# Altium PCB PCB.PcbDoc (part 8 of 11)
Units mm, origin at the board's own origin, x right, y up, seen from the top; angles counter-clockwise.
Board outline 134.62 x 134.62 mm, 2 copper layers (Top Layer, Bottom Layer); 223 components, 326 nets, 5222 pads, 379 vias.
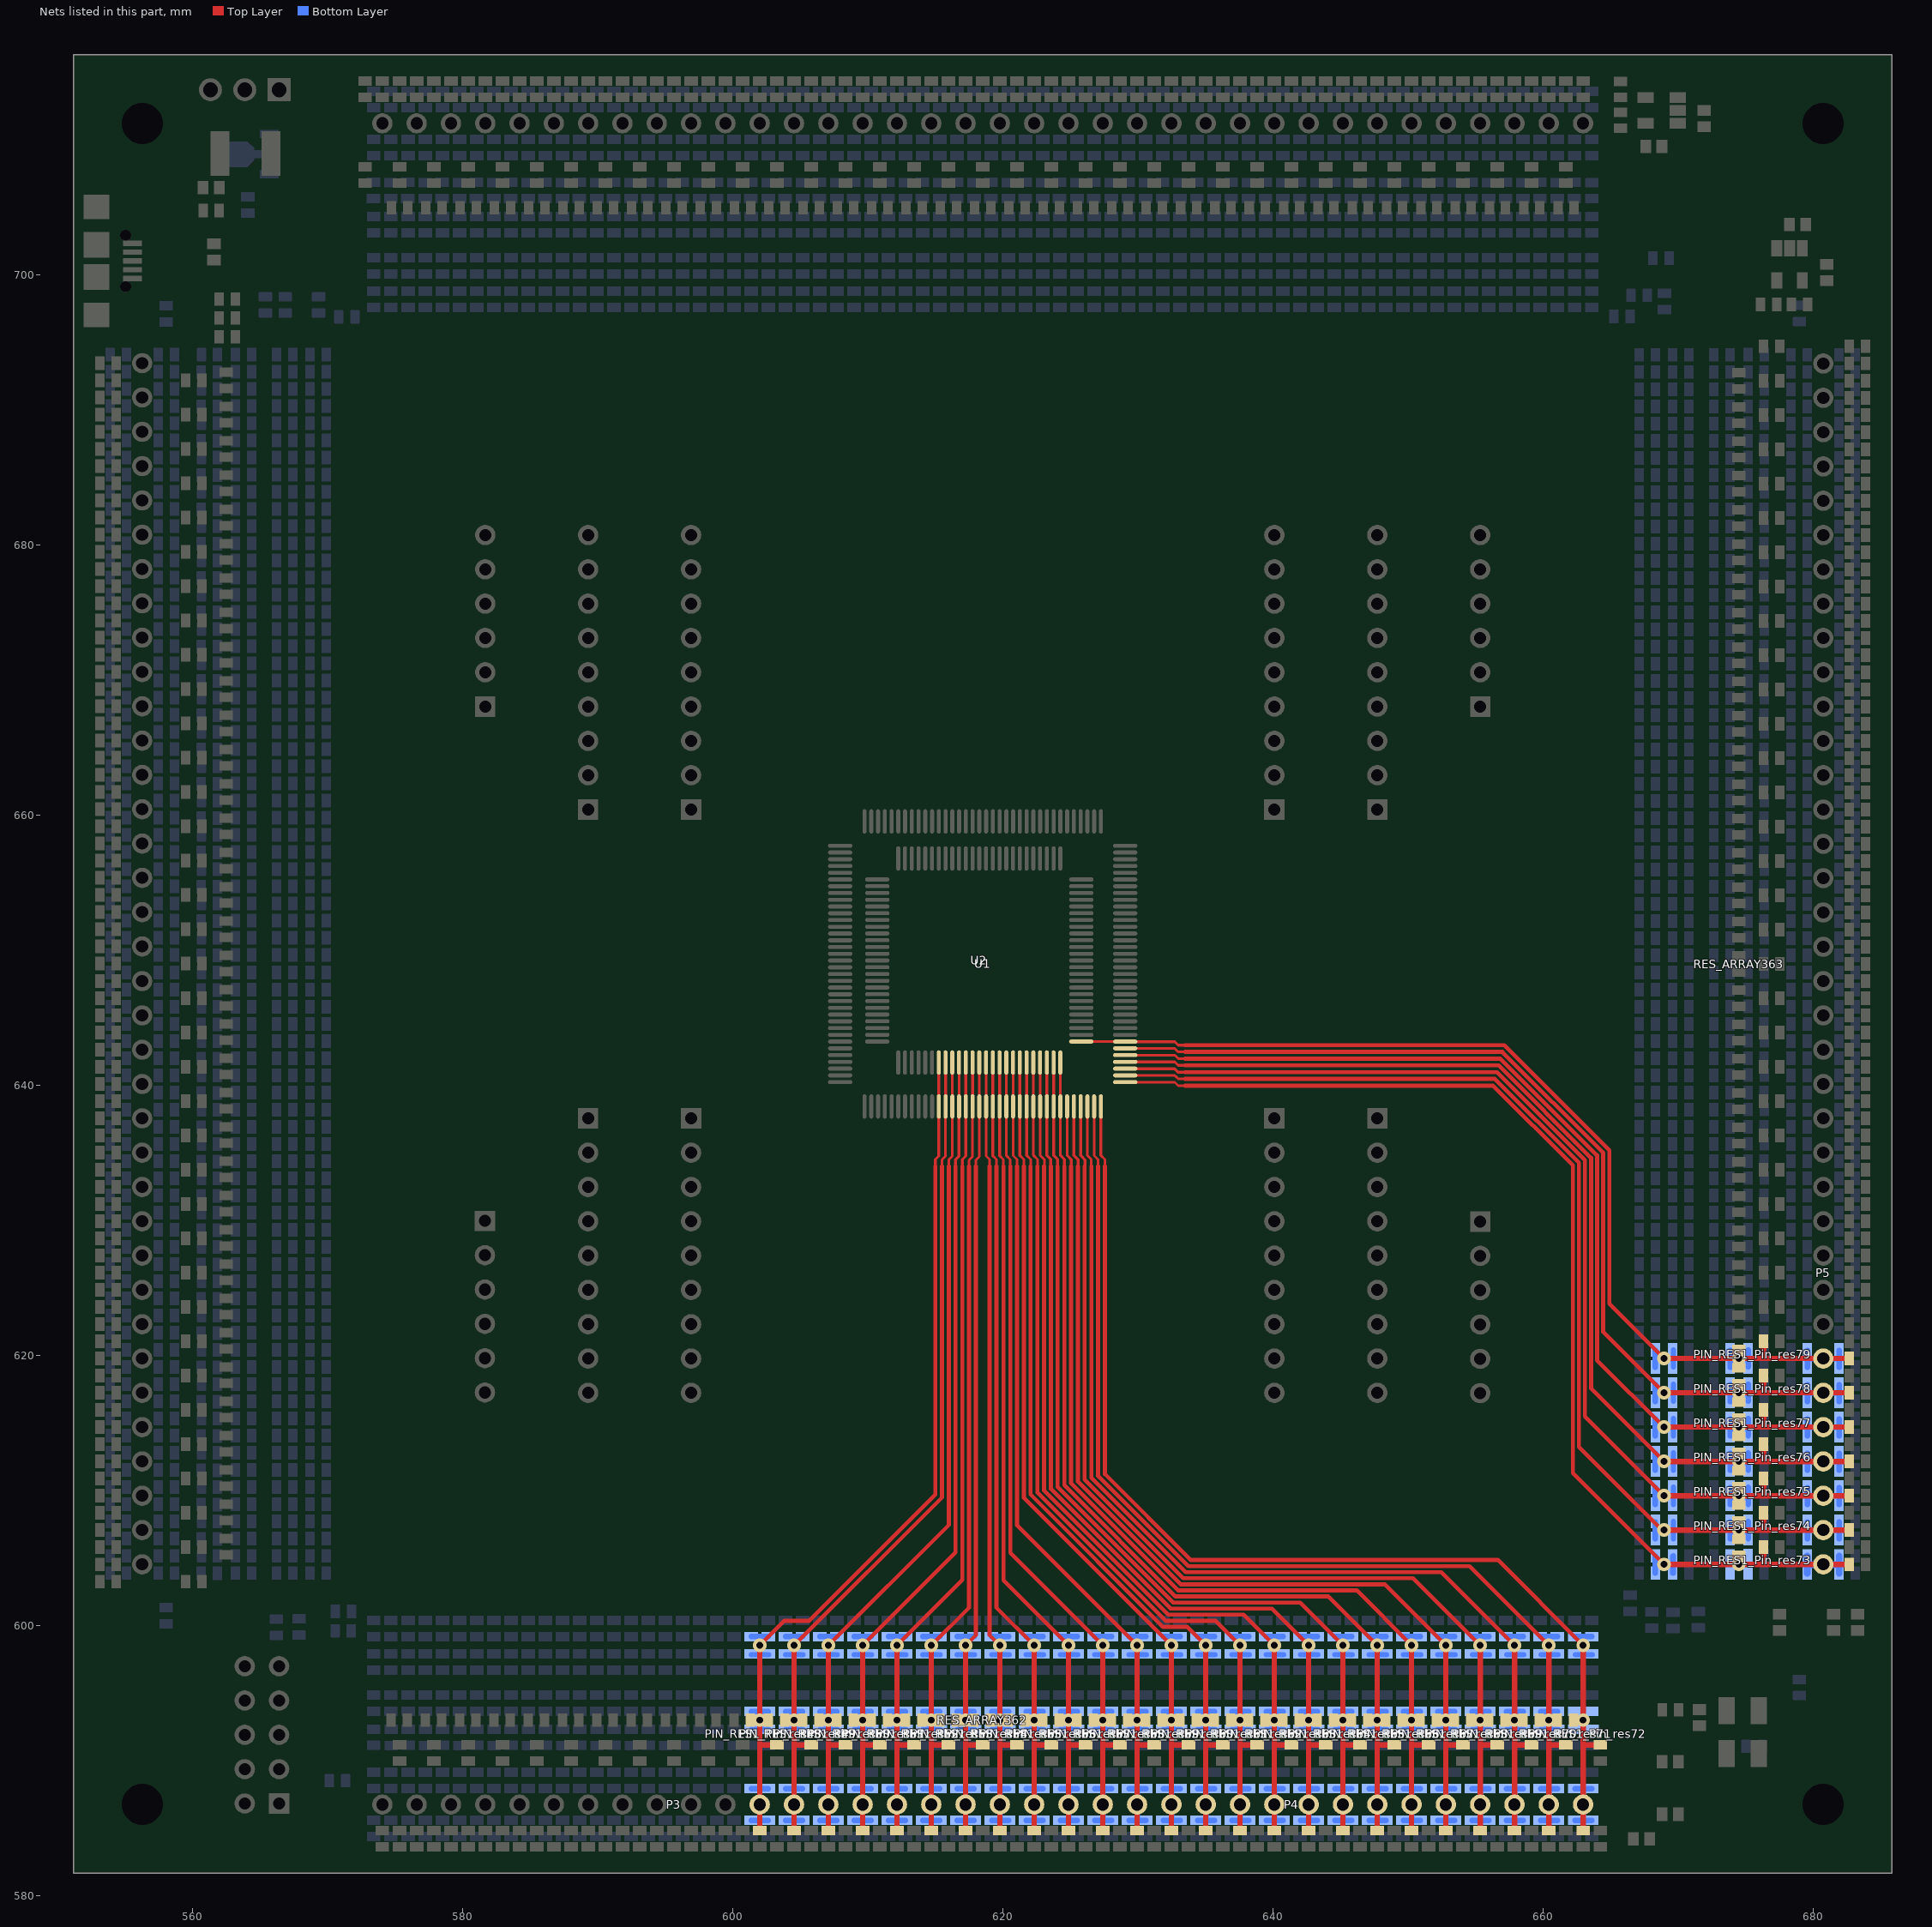
[diagram p8: the nets of this part, all layers, seen from the top]

## Via types
v1: diameter 1, hole 0.5, Top Layer to Bottom Layer, 322 vias
v2: diameter 1, hole 0.5, Top Layer to Bottom Layer, tented both sides, 57 vias

## Nets (pads, with @x,y where several pads share a name; then routed paths per layer and width w, separated by ;. In a path a pad name is that pad's centre, name@x,y a point inside that pad or via, vN(x,y) a via of type N, cw(c..) or ccw(c..) an arc to the next point about the centre after c; other vN are vias at no path point) (continued)
P48: P3.12 PIN_RES1_Pin_res48.14 RES_ARRAY362.12 U1.48 U2.32 | length 77.4
  Top Layer w0.2: 614.982,633.984 614.982,634.492 615.24,634.75 U1.48@615.24,638.42 615.24,641.67 U2.32@615.236,641.674
  Top Layer w0.3: v1(601.98,598.526) 603.786,600.332 605.631,600.332 614.982,609.683 614.982,633.984
  Top Layer w0.4: PIN_RES1_Pin_res48.14@601.98,584.8 P3.12@601.98,586.74 601.98,591.185 ; v1(601.98,598.526) v1(601.98,592.988) 601.98,591.185 ; PIN_RES1_Pin_res48.14@603.25,591.15 602.015,591.15 601.98,591.185
  Bottom Layer w0.4: PIN_RES1_Pin_res48.14@601.345,585.562 601.98,585.562 ; PIN_RES1_Pin_res48.14@601.345,587.918 601.98,587.918 ; PIN_RES1_Pin_res48.14@601.345,593.633 601.98,593.633 ; PIN_RES1_Pin_res48.14@601.345,599.17 601.98,599.17 ; PIN_RES1_Pin_res48.14@601.37,592.293 601.98,592.293 ; PIN_RES1_Pin_res48.14@601.37,597.83 601.98,597.83 ; PIN_RES1_Pin_res48.14@602.615,585.562 601.98,585.562 ; PIN_RES1_Pin_res48.14@602.615,587.918 601.98,587.918 ; PIN_RES1_Pin_res48.14@602.615,593.633 601.98,593.633 ; PIN_RES1_Pin_res48.14@602.615,599.17 601.98,599.17 ; PIN_RES1_Pin_res48.14@602.64,592.293 601.98,592.293 ; PIN_RES1_Pin_res48.14@602.64,597.83 601.98,597.83 ; 601.98,585.562 P3.12@601.98,586.74 601.98,587.918 ; 601.98,592.293 v1(601.98,592.988) 601.98,593.633 ; 601.98,597.83 v1(601.98,598.526) 601.98,599.17
P49: P3.13 PIN_RES1_Pin_res49.14 RES_ARRAY362.13 U1.49 U2.33 | length 75.5
  Top Layer w0.2: 615.474,633.984 615.474,634.473 615.728,634.727 615.728,638.408 U1.49@615.74,638.42 615.74,641.67 U2.33@615.736,641.674
  Top Layer w0.3: v1(604.52,598.526) 615.474,609.48 615.474,633.984
  Top Layer w0.4: PIN_RES1_Pin_res49.14@604.52,584.8 P3.13@604.52,586.74 604.52,591.185 ; v1(604.52,598.526) v1(604.52,592.988) 604.52,591.185 ; PIN_RES1_Pin_res49.14@605.79,591.15 604.555,591.15 604.52,591.185
  Bottom Layer w0.4: PIN_RES1_Pin_res49.14@603.885,585.562 604.52,585.562 ; PIN_RES1_Pin_res49.14@603.885,587.918 604.52,587.918 ; PIN_RES1_Pin_res49.14@603.885,593.633 604.52,593.633 ; PIN_RES1_Pin_res49.14@603.885,599.17 604.52,599.17 ; PIN_RES1_Pin_res49.14@603.91,592.293 604.52,592.293 ; PIN_RES1_Pin_res49.14@603.91,597.83 604.52,597.83 ; PIN_RES1_Pin_res49.14@605.155,585.562 604.52,585.562 ; PIN_RES1_Pin_res49.14@605.155,587.918 604.52,587.918 ; PIN_RES1_Pin_res49.14@605.155,593.633 604.52,593.633 ; PIN_RES1_Pin_res49.14@605.155,599.17 604.52,599.17 ; PIN_RES1_Pin_res49.14@605.18,592.293 604.52,592.293 ; PIN_RES1_Pin_res49.14@605.18,597.83 604.52,597.83 ; 604.52,585.562 P3.13@604.52,586.74 604.52,587.918 ; 604.52,592.293 v1(604.52,592.988) 604.52,593.633 ; 604.52,597.83 v1(604.52,598.526) 604.52,599.17
P50: P3.14 PIN_RES1_Pin_res50.14 RES_ARRAY362.14 U1.50 U2.34 | length 74.6
  Top Layer w0.2: 615.982,633.984 615.982,634.486 616.24,634.744 U1.50@616.24,638.42 616.24,641.67 U2.34@616.236,641.674
  Top Layer w0.3: v1(607.06,598.526) 615.982,607.448 615.982,633.984
  Top Layer w0.4: PIN_RES1_Pin_res50.14@607.06,584.8 P3.14@607.06,586.74 607.06,591.185 ; v1(607.06,598.526) v1(607.06,592.988) 607.06,591.185 ; PIN_RES1_Pin_res50.14@608.33,591.15 607.095,591.15 607.06,591.185
  Bottom Layer w0.4: PIN_RES1_Pin_res50.14@606.425,585.562 607.06,585.562 ; PIN_RES1_Pin_res50.14@606.425,587.918 607.06,587.918 ; PIN_RES1_Pin_res50.14@606.425,593.633 607.06,593.633 ; PIN_RES1_Pin_res50.14@606.425,599.17 607.06,599.17 ; PIN_RES1_Pin_res50.14@606.45,592.293 607.06,592.293 ; PIN_RES1_Pin_res50.14@606.45,597.83 607.06,597.83 ; PIN_RES1_Pin_res50.14@607.695,585.562 607.06,585.562 ; PIN_RES1_Pin_res50.14@607.695,587.918 607.06,587.918 ; PIN_RES1_Pin_res50.14@607.695,593.633 607.06,593.633 ; PIN_RES1_Pin_res50.14@607.695,599.17 607.06,599.17 ; PIN_RES1_Pin_res50.14@607.72,592.293 607.06,592.293 ; PIN_RES1_Pin_res50.14@607.72,597.83 607.06,597.83 ; 607.06,585.562 P3.14@607.06,586.74 607.06,587.918 ; 607.06,592.293 v1(607.06,592.988) 607.06,593.633 ; 607.06,597.83 v1(607.06,598.526) 607.06,599.17
P51: P3.15 PIN_RES1_Pin_res51.14 RES_ARRAY362.15 U1.51 U2.35 | length 73.8
  Top Layer w0.2: 616.474,633.984 616.474,634.483 616.728,634.737 616.728,638.408 U1.51@616.74,638.42 616.74,641.67 U2.35@616.736,641.674
  Top Layer w0.3: v1(609.6,598.526) 616.474,605.4 616.474,633.984
  Top Layer w0.4: PIN_RES1_Pin_res51.14@609.6,584.8 P3.15@609.6,586.74 609.6,591.185 ; v1(609.6,598.526) v1(609.6,592.988) 609.6,591.185 ; PIN_RES1_Pin_res51.14@610.87,591.15 609.635,591.15 609.6,591.185
  Bottom Layer w0.4: PIN_RES1_Pin_res51.14@608.965,585.562 609.6,585.562 ; PIN_RES1_Pin_res51.14@608.965,587.918 609.6,587.918 ; PIN_RES1_Pin_res51.14@608.965,593.633 609.6,593.633 ; PIN_RES1_Pin_res51.14@608.965,599.17 609.6,599.17 ; PIN_RES1_Pin_res51.14@608.99,592.293 609.6,592.293 ; PIN_RES1_Pin_res51.14@608.99,597.83 609.6,597.83 ; PIN_RES1_Pin_res51.14@610.235,585.562 609.6,585.562 ; PIN_RES1_Pin_res51.14@610.235,587.918 609.6,587.918 ; PIN_RES1_Pin_res51.14@610.235,593.633 609.6,593.633 ; PIN_RES1_Pin_res51.14@610.235,599.17 609.6,599.17 ; PIN_RES1_Pin_res51.14@610.26,592.293 609.6,592.293 ; PIN_RES1_Pin_res51.14@610.26,597.83 609.6,597.83 ; 609.6,585.562 P3.15@609.6,586.74 609.6,587.918 ; 609.6,592.293 v1(609.6,592.988) 609.6,593.633 ; 609.6,597.83 v1(609.6,598.526) 609.6,599.17
P52: P3.16 PIN_RES1_Pin_res52.14 RES_ARRAY362.16 U1.52 U2.36 | length 72.9
  Top Layer w0.2: 616.982,633.984 616.982,634.492 617.24,634.75 U1.52@617.24,638.42 617.24,641.67 U2.36@617.236,641.674
  Top Layer w0.3: v1(612.14,598.526) 616.982,603.368 616.982,633.984
  Top Layer w0.4: PIN_RES1_Pin_res52.14@612.14,584.8 P3.16@612.14,586.74 612.14,591.185 ; v1(612.14,598.526) v1(612.14,592.988) 612.14,591.185 ; PIN_RES1_Pin_res52.14@613.41,591.15 612.175,591.15 612.14,591.185
  Bottom Layer w0.4: PIN_RES1_Pin_res52.14@611.505,585.562 612.14,585.562 ; PIN_RES1_Pin_res52.14@611.505,587.918 612.14,587.918 ; PIN_RES1_Pin_res52.14@611.505,593.633 612.14,593.633 ; PIN_RES1_Pin_res52.14@611.505,599.17 612.14,599.17 ; PIN_RES1_Pin_res52.14@611.53,592.293 612.14,592.293 ; PIN_RES1_Pin_res52.14@611.53,597.83 612.14,597.83 ; PIN_RES1_Pin_res52.14@612.775,585.562 612.14,585.562 ; PIN_RES1_Pin_res52.14@612.775,587.918 612.14,587.918 ; PIN_RES1_Pin_res52.14@612.775,593.633 612.14,593.633 ; PIN_RES1_Pin_res52.14@612.775,599.17 612.14,599.17 ; PIN_RES1_Pin_res52.14@612.8,592.293 612.14,592.293 ; PIN_RES1_Pin_res52.14@612.8,597.83 612.14,597.83 ; 612.14,585.562 P3.16@612.14,586.74 612.14,587.918 ; 612.14,592.293 v1(612.14,592.988) 612.14,593.633 ; 612.14,597.83 v1(612.14,598.526) 612.14,599.17
P53: P3.17 PIN_RES1_Pin_res53.14 RES_ARRAY362.17 U1.53 U2.37 | length 72.1
  Top Layer w0.2: 617.474,633.984 617.474,634.441 617.728,634.695 617.728,638.408 U1.53@617.74,638.42 617.74,641.67 U2.37@617.736,641.674
  Top Layer w0.3: v1(614.68,598.526) 617.474,601.32 617.474,633.984
  Top Layer w0.4: PIN_RES1_Pin_res53.14@614.68,584.8 P3.17@614.68,586.74 614.68,591.185 ; v1(614.68,598.526) v1(614.68,592.988) 614.68,591.185 ; PIN_RES1_Pin_res53.14@615.95,591.15 614.715,591.15 614.68,591.185
  Bottom Layer w0.4: PIN_RES1_Pin_res53.14@614.045,585.562 614.68,585.562 ; PIN_RES1_Pin_res53.14@614.045,587.918 614.68,587.918 ; PIN_RES1_Pin_res53.14@614.045,593.633 614.68,593.633 ; PIN_RES1_Pin_res53.14@614.045,599.17 614.68,599.17 ; PIN_RES1_Pin_res53.14@614.07,592.293 614.68,592.293 ; PIN_RES1_Pin_res53.14@614.07,597.83 614.68,597.83 ; PIN_RES1_Pin_res53.14@615.315,585.562 614.68,585.562 ; PIN_RES1_Pin_res53.14@615.315,587.918 614.68,587.918 ; PIN_RES1_Pin_res53.14@615.315,593.633 614.68,593.633 ; PIN_RES1_Pin_res53.14@615.315,599.17 614.68,599.17 ; PIN_RES1_Pin_res53.14@615.34,592.293 614.68,592.293 ; PIN_RES1_Pin_res53.14@615.34,597.83 614.68,597.83 ; 614.68,585.562 P3.17@614.68,586.74 614.68,587.918 ; 614.68,592.293 v1(614.68,592.988) 614.68,593.633 ; 614.68,597.83 v1(614.68,598.526) 614.68,599.17
P54: P3.18 PIN_RES1_Pin_res54.14 RES_ARRAY362.18 U1.54 U2.38 | length 71.2
  Top Layer w0.2: 617.982,633.984 617.982,634.454 618.24,634.712 U1.54@618.24,638.42 618.24,641.67 U2.38@618.236,641.674
  Top Layer w0.3: v1(617.22,598.526) 617.982,599.288 617.982,633.984
  Top Layer w0.4: PIN_RES1_Pin_res54.14@617.22,584.8 P3.18@617.22,586.74 617.22,591.185 ; v1(617.22,598.526) v1(617.22,592.988) 617.22,591.185 ; PIN_RES1_Pin_res54.14@618.49,591.15 617.255,591.15 617.22,591.185
  Bottom Layer w0.4: PIN_RES1_Pin_res54.14@616.585,585.562 617.22,585.562 ; PIN_RES1_Pin_res54.14@616.585,587.918 617.22,587.918 ; PIN_RES1_Pin_res54.14@616.585,593.633 617.22,593.633 ; PIN_RES1_Pin_res54.14@616.585,599.17 617.22,599.17 ; PIN_RES1_Pin_res54.14@616.61,592.293 617.22,592.293 ; PIN_RES1_Pin_res54.14@616.61,597.83 617.22,597.83 ; PIN_RES1_Pin_res54.14@617.855,585.562 617.22,585.562 ; PIN_RES1_Pin_res54.14@617.855,587.918 617.22,587.918 ; PIN_RES1_Pin_res54.14@617.855,593.633 617.22,593.633 ; PIN_RES1_Pin_res54.14@617.855,599.17 617.22,599.17 ; PIN_RES1_Pin_res54.14@617.88,592.293 617.22,592.293 ; PIN_RES1_Pin_res54.14@617.88,597.83 617.22,597.83 ; 617.22,585.562 P3.18@617.22,586.74 617.22,587.918 ; 617.22,592.293 v1(617.22,592.988) 617.22,593.633 ; 617.22,597.83 v1(617.22,598.526) 617.22,599.17
P55: P4.1 PIN_RES1_Pin_res55.14 RES_ARRAY362.19 U1.55 U2.39 | length 71.9
  Top Layer w0.2: U2.39@618.736,641.674 618.74,641.67 U1.55@618.74,638.42 618.74,634.75 618.998,634.492 618.998,633.984
  Top Layer w0.3: 618.998,633.984 618.998,599.288 v1(619.76,598.526)
  Top Layer w0.4: PIN_RES1_Pin_res55.14@619.76,584.8 P4.1@619.76,586.74 619.76,591.185 ; v1(619.76,598.526) v1(619.76,592.988) 619.76,591.185 ; PIN_RES1_Pin_res55.14@621.03,591.15 619.795,591.15 619.76,591.185
  Bottom Layer w0.4: PIN_RES1_Pin_res55.14@619.15,585.562 619.785,585.562 ; PIN_RES1_Pin_res55.14@619.15,587.918 619.785,587.918 ; PIN_RES1_Pin_res55.14@619.15,593.633 619.785,593.633 ; PIN_RES1_Pin_res55.14@619.15,599.17 619.785,599.17 ; PIN_RES1_Pin_res55.14@619.176,592.293 619.785,592.293 ; PIN_RES1_Pin_res55.14@619.176,597.83 619.76,597.83 ; v1(619.76,598.526) 619.76,597.83 ; PIN_RES1_Pin_res55.14@620.42,585.562 PIN_RES1_Pin_res55.14@620.395,585.562 619.785,585.562 ; PIN_RES1_Pin_res55.14@620.42,587.918 PIN_RES1_Pin_res55.14@620.395,587.918 619.785,587.918 ; PIN_RES1_Pin_res55.14@620.42,593.633 PIN_RES1_Pin_res55.14@620.395,593.633 619.785,593.633 ; PIN_RES1_Pin_res55.14@620.42,599.17 PIN_RES1_Pin_res55.14@620.395,599.17 619.785,599.17 ; PIN_RES1_Pin_res55.14@620.446,592.293 PIN_RES1_Pin_res55.14@620.42,592.293 619.785,592.293 ; PIN_RES1_Pin_res55.14@620.446,597.83 619.785,597.83 ; 619.76,597.83 619.785,597.83 ; 619.785,585.562 619.785,586.74 619.785,587.918 ; 619.785,592.293 619.785,593.633 ; 619.785,597.83 619.785,599.17
P56: P4.2 PIN_RES1_Pin_res56.14 RES_ARRAY362.20 U1.56 U2.40 | length 72.8
  Top Layer w0.2: U2.40@619.236,641.674 619.24,641.67 U1.56@619.24,638.42 619.24,634.758 619.506,634.492 619.506,633.984
  Top Layer w0.3: 619.506,633.984 619.506,601.32 v1(622.3,598.526)
  Top Layer w0.4: PIN_RES1_Pin_res56.14@622.3,584.8 P4.2@622.3,586.74 622.3,591.185 ; v1(622.3,598.526) v1(622.3,592.988) 622.3,591.185 ; PIN_RES1_Pin_res56.14@623.57,591.15 622.335,591.15 622.3,591.185
  Bottom Layer w0.4: PIN_RES1_Pin_res56.14@621.69,585.562 622.325,585.562 ; PIN_RES1_Pin_res56.14@621.69,587.918 622.325,587.918 ; PIN_RES1_Pin_res56.14@621.69,593.633 622.325,593.633 ; PIN_RES1_Pin_res56.14@621.69,599.17 622.325,599.17 ; PIN_RES1_Pin_res56.14@621.716,592.293 622.3,592.293 622.325,592.293 ; PIN_RES1_Pin_res56.14@621.716,597.83 622.3,597.83 ; v1(622.3,598.526) 622.3,597.83 ; PIN_RES1_Pin_res56.14@622.96,585.562 622.325,585.562 ; PIN_RES1_Pin_res56.14@622.96,587.918 622.325,587.918 ; PIN_RES1_Pin_res56.14@622.96,593.633 PIN_RES1_Pin_res56.14@622.935,593.633 622.325,593.633 ; PIN_RES1_Pin_res56.14@622.96,599.17 PIN_RES1_Pin_res56.14@622.935,599.17 622.325,599.17 ; PIN_RES1_Pin_res56.14@622.986,592.293 PIN_RES1_Pin_res56.14@622.96,592.293 622.325,592.293 ; PIN_RES1_Pin_res56.14@622.986,597.83 622.325,597.83 ; 622.3,597.83 622.325,597.83 ; 622.325,585.562 622.325,586.74 622.325,587.918 ; 622.325,592.293 622.325,593.633 ; 622.325,597.83 622.325,599.17
P57: P4.3 PIN_RES1_Pin_res57.14 RES_ARRAY362.21 U1.57 U2.41 | length 73.6
  Top Layer w0.2: U2.41@619.736,641.674 619.74,641.67 U1.57@619.74,638.42 619.74,634.766 620.014,634.492 620.014,633.984
  Top Layer w0.3: 620.03,633.984 620.03,603.336 v1(624.84,598.526)
  Top Layer w0.4: PIN_RES1_Pin_res57.14@624.84,584.8 P4.3@624.84,586.74 624.84,591.185 ; v1(624.84,598.526) v1(624.84,592.988) 624.84,591.185 ; PIN_RES1_Pin_res57.14@626.11,591.15 624.875,591.15 624.84,591.185
  Bottom Layer w0.4: PIN_RES1_Pin_res57.14@624.23,585.562 624.865,585.562 ; PIN_RES1_Pin_res57.14@624.23,587.918 624.865,587.918 ; PIN_RES1_Pin_res57.14@624.23,593.633 624.865,593.633 ; PIN_RES1_Pin_res57.14@624.23,599.17 624.865,599.17 ; PIN_RES1_Pin_res57.14@624.256,592.293 624.865,592.293 ; PIN_RES1_Pin_res57.14@624.256,597.83 624.84,597.83 ; v1(624.84,598.526) 624.84,597.83 ; PIN_RES1_Pin_res57.14@625.5,585.562 PIN_RES1_Pin_res57.14@625.475,585.562 624.865,585.562 ; PIN_RES1_Pin_res57.14@625.5,587.918 PIN_RES1_Pin_res57.14@625.475,587.918 624.865,587.918 ; PIN_RES1_Pin_res57.14@625.5,593.633 PIN_RES1_Pin_res57.14@625.475,593.633 624.865,593.633 ; PIN_RES1_Pin_res57.14@625.5,599.17 PIN_RES1_Pin_res57.14@625.475,599.17 624.865,599.17 ; PIN_RES1_Pin_res57.14@625.526,592.293 PIN_RES1_Pin_res57.14@625.5,592.293 624.865,592.293 ; PIN_RES1_Pin_res57.14@625.526,597.83 624.865,597.83 ; 624.84,597.83 624.865,597.83 ; 624.865,585.562 624.865,586.74 624.865,587.918 ; 624.865,592.293 624.865,593.633 ; 624.865,597.83 624.865,599.17
P58: P4.4 PIN_RES1_Pin_res58.14 RES_ARRAY362.22 U1.58 U2.42 | length 74.5
  Top Layer w0.2: U2.42@620.236,641.674 620.24,641.67 U1.58@620.24,638.42 620.24,634.774 620.522,634.492 620.522,633.984
  Top Layer w0.3: 620.538,633.984 620.538,605.368 v1(627.38,598.526)
  Top Layer w0.4: PIN_RES1_Pin_res58.14@627.38,584.8 P4.4@627.38,586.74 627.38,591.185 ; v1(627.38,598.526) v1(627.38,592.988) 627.38,591.185 ; PIN_RES1_Pin_res58.14@628.65,591.15 627.415,591.15 627.38,591.185
  Bottom Layer w0.4: PIN_RES1_Pin_res58.14@626.77,585.562 627.405,585.562 ; PIN_RES1_Pin_res58.14@626.77,587.918 627.405,587.918 ; PIN_RES1_Pin_res58.14@626.77,593.633 627.405,593.633 ; PIN_RES1_Pin_res58.14@626.77,599.17 627.405,599.17 ; PIN_RES1_Pin_res58.14@626.796,592.293 627.405,592.293 ; PIN_RES1_Pin_res58.14@626.796,597.83 627.38,597.83 ; v1(627.38,598.526) 627.38,597.83 ; PIN_RES1_Pin_res58.14@628.04,585.562 PIN_RES1_Pin_res58.14@628.015,585.562 627.405,585.562 ; PIN_RES1_Pin_res58.14@628.04,587.918 PIN_RES1_Pin_res58.14@628.015,587.918 627.405,587.918 ; PIN_RES1_Pin_res58.14@628.04,593.633 PIN_RES1_Pin_res58.14@628.015,593.633 627.405,593.633 ; PIN_RES1_Pin_res58.14@628.04,599.17 PIN_RES1_Pin_res58.14@628.015,599.17 627.405,599.17 ; PIN_RES1_Pin_res58.14@628.066,592.293 PIN_RES1_Pin_res58.14@628.04,592.293 627.405,592.293 ; PIN_RES1_Pin_res58.14@628.066,597.83 627.405,597.83 ; 627.38,597.83 627.405,597.83 ; 627.405,585.562 627.405,586.74 627.405,587.918 ; 627.405,592.293 627.405,593.633 ; 627.405,597.83 627.405,599.17
P59: P4.5 PIN_RES1_Pin_res59.14 RES_ARRAY362.23 U1.59 U2.43 | length 75.3
  Top Layer w0.2: U2.43@620.736,641.674 620.74,641.67 U1.59@620.74,638.42 620.74,634.782 621.03,634.492 621.03,633.984
  Top Layer w0.3: 621.03,633.984 621.03,607.416 v1(629.92,598.526)
  Top Layer w0.4: PIN_RES1_Pin_res59.14@629.92,584.8 P4.5@629.92,586.74 629.92,591.185 ; v1(629.92,598.526) v1(629.92,592.988) 629.92,591.185 ; PIN_RES1_Pin_res59.14@631.19,591.15 629.955,591.15 629.92,591.185
  Bottom Layer w0.4: PIN_RES1_Pin_res59.14@629.31,585.562 629.945,585.562 ; PIN_RES1_Pin_res59.14@629.31,587.918 629.945,587.918 ; PIN_RES1_Pin_res59.14@629.31,593.633 629.945,593.633 ; PIN_RES1_Pin_res59.14@629.31,599.17 629.945,599.17 ; PIN_RES1_Pin_res59.14@629.336,592.293 629.945,592.293 ; PIN_RES1_Pin_res59.14@629.336,597.83 629.92,597.83 ; v1(629.92,598.526) 629.92,597.83 ; PIN_RES1_Pin_res59.14@630.58,585.562 PIN_RES1_Pin_res59.14@630.555,585.562 629.945,585.562 ; PIN_RES1_Pin_res59.14@630.58,587.918 PIN_RES1_Pin_res59.14@630.555,587.918 629.945,587.918 ; PIN_RES1_Pin_res59.14@630.58,593.633 PIN_RES1_Pin_res59.14@630.555,593.633 629.945,593.633 ; PIN_RES1_Pin_res59.14@630.58,599.17 PIN_RES1_Pin_res59.14@630.555,599.17 629.945,599.17 ; PIN_RES1_Pin_res59.14@630.606,592.293 PIN_RES1_Pin_res59.14@630.58,592.293 629.945,592.293 ; PIN_RES1_Pin_res59.14@630.606,597.83 629.945,597.83 ; 629.92,597.83 629.945,597.83 ; 629.945,585.562 629.945,586.74 629.945,587.918 ; 629.945,592.293 629.945,593.633 ; 629.945,597.83 629.945,599.17
P60: P4.6 PIN_RES1_Pin_res60.14 RES_ARRAY362.24 U1.60 U2.44 | length 76.2
  Top Layer w0.2: U2.44@621.236,641.674 621.24,641.67 U1.60@621.24,638.42 621.24,634.79 621.538,634.492 621.538,633.984
  Top Layer w0.3: 621.538,633.984 621.538,609.448 v1(632.46,598.526)
  Top Layer w0.4: PIN_RES1_Pin_res60.14@632.46,584.8 P4.6@632.46,586.74 632.46,591.185 ; v1(632.46,598.526) v1(632.46,592.988) 632.46,591.185 ; PIN_RES1_Pin_res60.14@633.73,591.15 632.495,591.15 632.46,591.185
  Bottom Layer w0.4: PIN_RES1_Pin_res60.14@631.85,585.562 632.485,585.562 ; PIN_RES1_Pin_res60.14@631.85,587.918 632.485,587.918 ; PIN_RES1_Pin_res60.14@631.85,593.633 632.485,593.633 ; PIN_RES1_Pin_res60.14@631.85,599.17 632.485,599.17 ; PIN_RES1_Pin_res60.14@631.876,592.293 632.485,592.293 ; PIN_RES1_Pin_res60.14@631.876,597.83 632.46,597.83 ; v1(632.46,598.526) 632.46,597.83 ; PIN_RES1_Pin_res60.14@633.12,585.562 PIN_RES1_Pin_res60.14@633.095,585.562 632.485,585.562 ; PIN_RES1_Pin_res60.14@633.12,587.918 PIN_RES1_Pin_res60.14@633.095,587.918 632.485,587.918 ; PIN_RES1_Pin_res60.14@633.12,593.633 PIN_RES1_Pin_res60.14@633.095,593.633 632.485,593.633 ; PIN_RES1_Pin_res60.14@633.12,599.17 PIN_RES1_Pin_res60.14@633.095,599.17 632.485,599.17 ; PIN_RES1_Pin_res60.14@633.146,592.293 PIN_RES1_Pin_res60.14@633.12,592.293 632.485,592.293 ; PIN_RES1_Pin_res60.14@633.146,597.83 632.485,597.83 ; 632.46,597.83 632.485,597.83 ; 632.485,585.562 632.485,586.74 632.485,587.918 ; 632.485,592.293 632.485,593.633 ; 632.485,597.83 632.485,599.17
P61: P4.7 PIN_RES1_Pin_res61.14 RES_ARRAY362.25 U1.61 U2.45 | length 78.1
  Top Layer w0.2: U2.45@621.736,641.674 621.74,641.67 U1.61@621.74,638.42 621.74,634.798 622.046,634.492 622.046,633.984
  Top Layer w0.3: 622.03,633.984 622.03,609.702 631.839,599.893 633.633,599.893 v1(635,598.526)
  Top Layer w0.4: PIN_RES1_Pin_res61.14@635,584.8 P4.7@635,586.74 635,591.185 ; v1(635,598.526) v1(635,592.988) 635,591.185 ; PIN_RES1_Pin_res61.14@636.27,591.15 635.035,591.15 635,591.185
  Bottom Layer w0.4: PIN_RES1_Pin_res61.14@634.39,585.562 635.025,585.562 ; PIN_RES1_Pin_res61.14@634.39,587.918 635.025,587.918 ; PIN_RES1_Pin_res61.14@634.39,593.633 635.025,593.633 ; PIN_RES1_Pin_res61.14@634.39,599.17 635.025,599.17 ; PIN_RES1_Pin_res61.14@634.416,592.293 635.025,592.293 ; PIN_RES1_Pin_res61.14@634.416,597.83 635,597.83 ; v1(635,598.526) 635,597.83 ; PIN_RES1_Pin_res61.14@635.66,585.562 PIN_RES1_Pin_res61.14@635.635,585.562 635.025,585.562 ; PIN_RES1_Pin_res61.14@635.66,587.918 PIN_RES1_Pin_res61.14@635.635,587.918 635.025,587.918 ; PIN_RES1_Pin_res61.14@635.66,593.633 PIN_RES1_Pin_res61.14@635.635,593.633 635.025,593.633 ; PIN_RES1_Pin_res61.14@635.66,599.17 PIN_RES1_Pin_res61.14@635.635,599.17 635.025,599.17 ; PIN_RES1_Pin_res61.14@635.686,592.293 PIN_RES1_Pin_res61.14@635.66,592.293 635.025,592.293 ; PIN_RES1_Pin_res61.14@635.686,597.83 635.025,597.83 ; 635,597.83 635.025,597.83 ; 635.025,585.562 635.025,586.74 635.025,587.918 ; 635.025,592.293 635.025,593.633 ; 635.025,597.83 635.025,599.17